# KiCad board radioboard_original.kicad_pcb
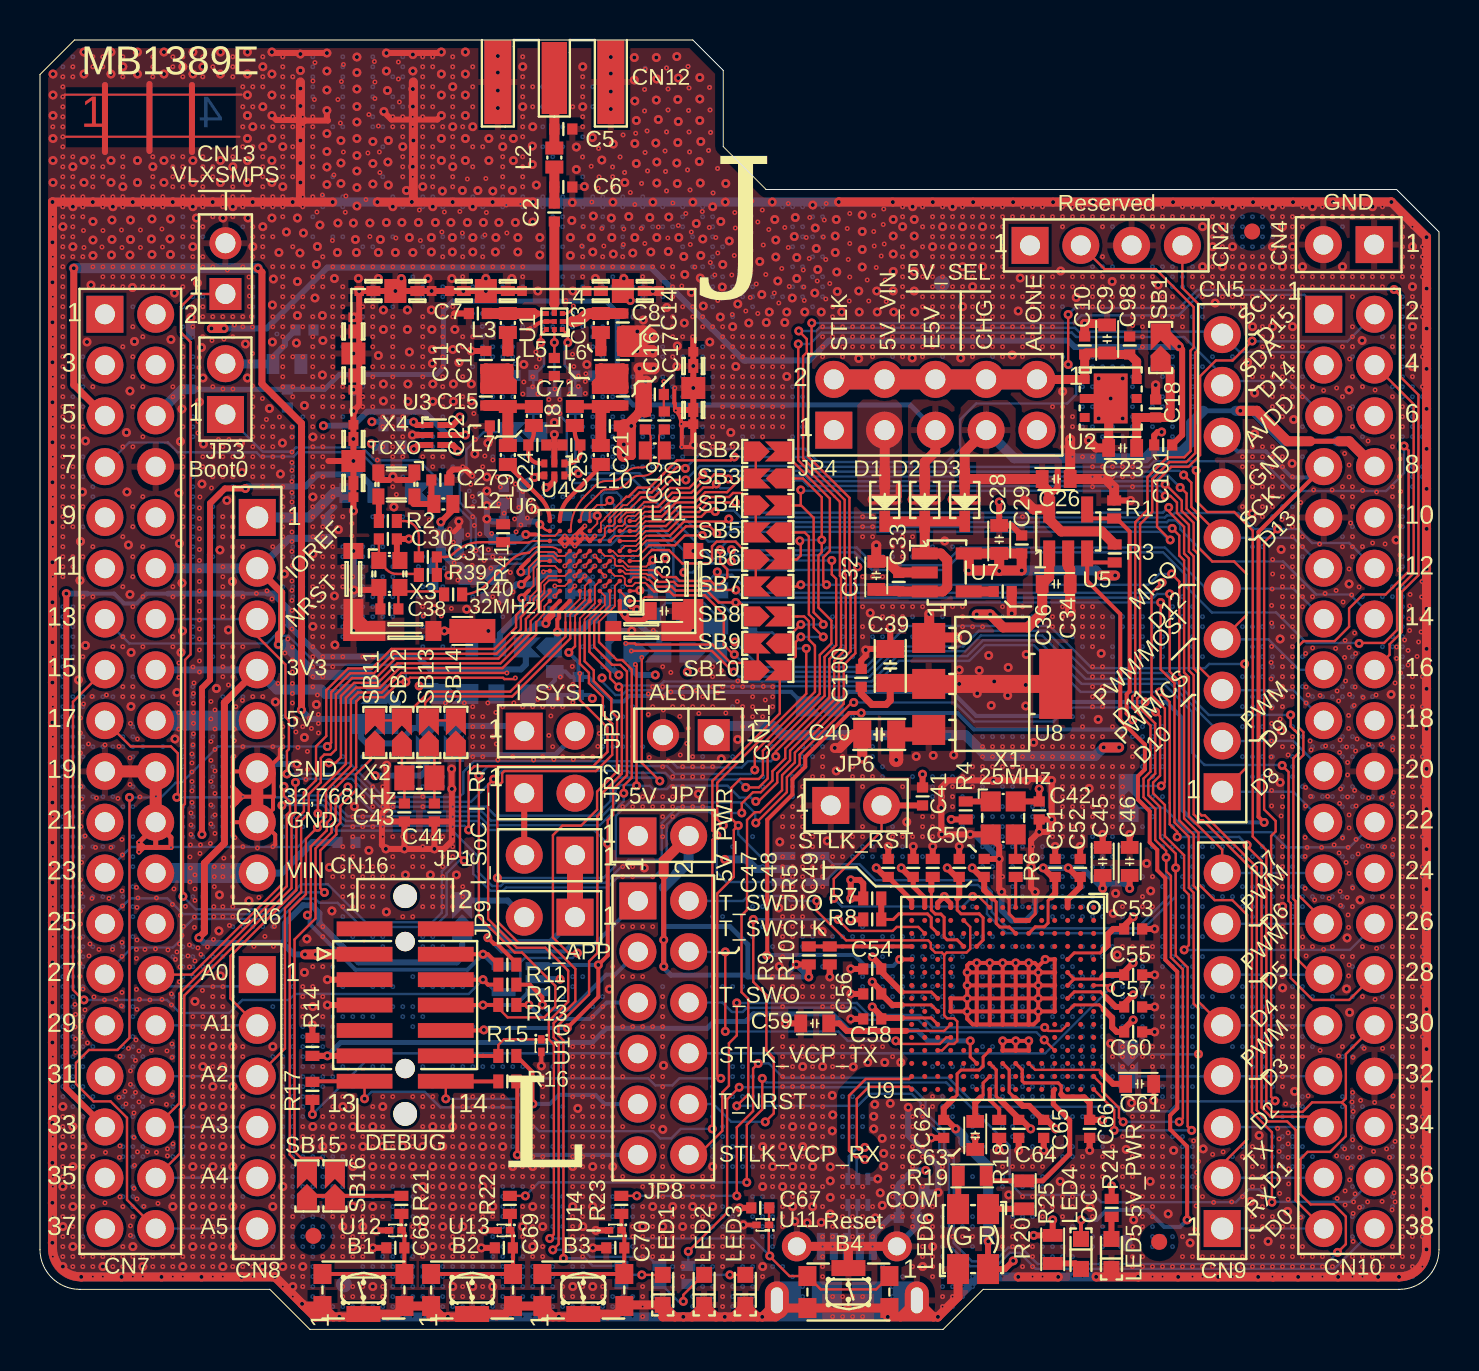
[diagram p0: board, top side]
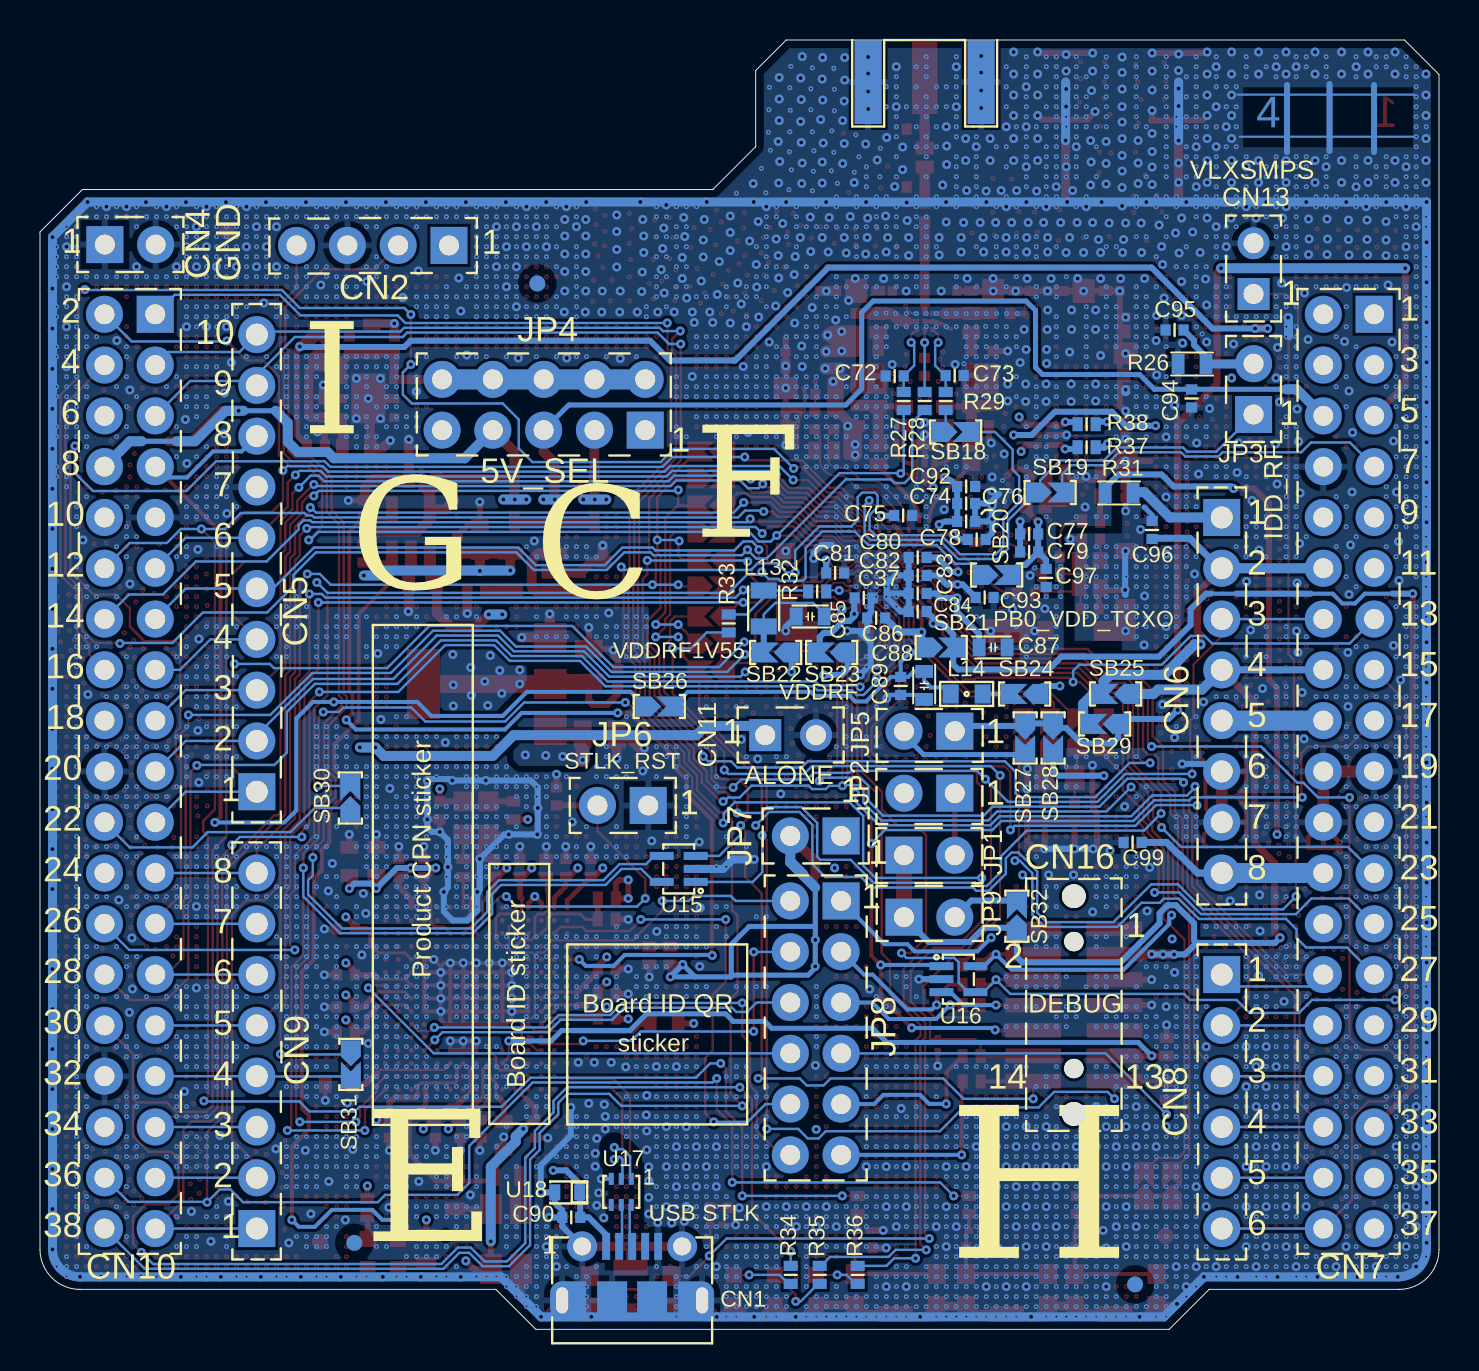
[diagram p1: board, bottom side, seen from below]

Outline 69.97 x 64.48 mm; copper layers: Top Layer, Signal Layer 1, Signal Layer 2, Bottom Layer. Coordinates in mm from the lower left corner of the outline.
Outline path: 0,62.75 0,4 arc(0.59,2.59) 2,2 11.5,2 13.5,0 45.17,0 47.17,2 67.97,2 arc(69.39,2.59) 69.97,4 69.97,54.88 67.85,57 36.32,57 34.17,59.14 34.17,62.95 32.65,64.48 1.72,64.48 0,62.75

## Placement (name value [footprint] x y rotation side)
B1  -  [SWI_C&K_Y78B23110FP__ITT_KMR231GLFS]  16.18 1.97 180 top
B2  -  [SWI_C&K_Y78B23110FP__ITT_KMR231GLFS]  21.61 1.97 180 top
B3  -  [SWI_C&K_Y78B23110FP__ITT_KMR231GLFS]  27.17 1.97 180 top
B4  -  [SWI_C&K_Y78B23110FP__ITT_KMR231GLFS]  40.43 1.87 0 top
C2  -  [C0402]  25.73 55.85 270 top
C5  -  [C0402]  26.17 60.02 180 top
C6  -  [C0402]  26.17 57.12 180 top
C7  Capacitor  [C0402]  21.9 50.8 0 top
C8  -  [C0402]  29.15 50.35 90 top
C9  -  [C0603]  53.37 49.52 270 top
C10  -  [C0402]  52.25 49.2 270 top
C11  Capacitor  [C0402]  22.3 48.47 270 top
C12  Capacitor  [C0402]  23.4 48.47 90 top
C13  -  [C0402]  28.05 48.47 270 top
C14  -  [C0402]  29.15 48.47 270 top
C15  Capacitor  [C0402]  22.3 46.65 90 top
C16  -  [C0402]  29.15 46.65 270 top
C17  Capacitor  [C0402]  30.75 46.75 0 top
C18  -  [C0402]  55.8 46.05 270 top
C19  -  [C0402#3]  30.27 45.45 270 top
C20  -  [C0402#2]  31.23 45.45 90 top
C21  -  [C0402]  28.5 45.17 180 top
C22  Capacitor  [C0402]  22.95 45.17 0 top
C23  -  [C0603]  54.15 44.07 0 top
C24  -  [C0402]  24.87 44.22 0 top
C25  -  [C0402]  26.58 44.22 0 top
C26  -  [C0603]  50.82 42.52 180 top
C27  -  [C0402]  20.02 42.47 180 top
C28  -  [C0603]  47.98 39.5 270 top
C29  -  [C0402]  49.1 39.25 270 top
C30  -  [C0402]  17.4 39.52 180 top
C31  Capacitor  [C0402]  19.4 38.62 0 top
C32  -  [C0603]  41.83 37.7 270 top
C33  -  [C0402]  42.95 37.38 270 top
C34  -  [C0603]  50.83 37.27 180 top
C35  -  [C0603]  31.23 35.92 180 top
C36  -  [C0402]  48.15 36.9 180 top
C37  -  [C0402]  28.77 36.57 180 bottom
C38  -  [C0402]  17.48 36.02 0 top
C39  -  [C0805]  42.52 33.17 270 top
C40  -  [C0805]  41.98 29.75 0 top
C41  -  [C0402]  44.14 26.65 270 top
C42  -  [C0402]  49.98 25.95 90 top
C43  -  [C0402]  18.23 25.85 270 top
C44  -  [C0402]  19.73 25.85 270 top
C45  -  [C0603]  53.15 23.4 270 top
C46  -  [C0603]  54.5 23.4 270 top
C47  -  [C0402]  42.42 23.07 270 top
C48  -  [C0402]  43.67 23.07 270 top
C49  -  [C0402]  45.98 23.07 270 top
C50  -  [C0402]  47.23 23.07 270 top
C51  -  [C0402]  50.77 23.07 270 top
C52  -  [C0402]  52.02 23.07 270 top
C53  -  [C0402]  54.67 20.02 180 top
C54  -  [C0402]  41.62 18.02 0 top
C55  -  [C0402]  54.67 17.72 180 top
C56  -  [C0402]  41.62 16.77 0 top
C57  -  [C0402]  54.67 16.12 180 top
C58  -  [C0402]  41.62 15.52 0 top
C59  -  [C0603]  38.75 15.3 0 top
C60  -  [C0402]  54.67 14.88 180 top
C61  -  [C0603]  55 12.27 180 top
C62  -  [C0402]  45.2 10.02 90 top
C63  -  [C0603]  46.77 9.7 90 top
C64  -  [C0402]  48.95 10.02 90 top
C65  -  [C0402]  50.2 10.02 90 top
C66  -  [C0402]  52.5 10.02 90 top
C67  -  [C0402]  36.02 6.07 0 top
C68  -  [C0402]  17.77 4.07 0 top
C69  -  [C0402]  23.2 4.07 0 top
C70  -  [C0402]  28.77 4.07 0 top
C71  -  [C0402]  25.72 48.12 90 top
C72  -  [C0402]  27.23 47.67 180 bottom
C73  -  [C0402]  24.23 47.7 0 bottom
C74  -  [C0402]  23.65 41.3 0 bottom
C75  -  [C0402]  26.8 40.7 0 bottom
C76  -  [C0402]  23.65 40.4 0 bottom
C77  -  [C0402]  20.5 39.77 0 bottom
C78  -  [C0402]  23.12 39.5 0 bottom
C79  -  [C0402]  20.5 38.88 180 bottom
C80  -  [C0402]  26.08 38.6 180 bottom
C81  -  [C0402]  30.2 37.82 0 bottom
C82  -  [C0402]  26.08 37.7 180 bottom
C83  -  [C0402]  26.08 36.8 180 bottom
C84  -  [C0402]  26.08 35.9 180 bottom
C85  -  [C0603]  31.45 35.65 180 bottom
C86  -  [C0402]  28.15 35.57 180 bottom
C87  -  [C0603]  22.3 34.1 0 bottom
C88  -  [C0603]  25.75 32.2 90 bottom
C89  -  [C0402]  26.92 32.17 90 bottom
C90  -  [C0402]  43.4 5.6 180 bottom
C92  Capacitor  [C0402]  23.65 42.15 0 bottom
C93  Capacitor  [C0402]  22.73 36.6 0 bottom
C94  Capacitor  [C0402]  12.38 46.55 90 bottom
C95  Capacitor  [C0402]  13.22 49.97 180 bottom
C96  Capacitor  [C0402]  14.35 39.97 270 bottom
C97  Capacitor  [C0402]  19.65 37.57 90 bottom
C98  Capacitor  [C0402]  54.5 49.2 270 top
C99  Capacitor  [C0402]  15.33 24.35 180 bottom
C100  Capacitor  [C0402]  41.08 32.57 270 top
C101  Capacitor  [C0402]  56.17 44.22 0 top
CN1  -  [CON_USBMICROB_MOLEX_105017-0001_H2P90]  40.36 0 180 bottom
CN2  -  [CON_SAMTEC_TSW-104-07-G-S]  53.33 54.2 0 top
CN4  -  [CON_SAMTEC_TSW-102-09-X-S]  65.46 54.24 180 top
CN5  -  [CON_SAMTEC_SSW-110-03-X-S]  59.13 38.31 90 top
CN6  -  [CON_SAMTEC_SSW-108-03-X-S]  10.87 31.71 270 top
CN7  -  [CON_SAMTEC_TSW-119-09-X-D]  4.52 27.9 270 top
CN8  -  [CON_SAMTEC_SSW-106-03-X-S]  10.87 11.39 270 top
CN9  -  [CON_SAMTEC_SSW-108-03-X-S]  59.13 13.93 90 top
CN10  -  [CON_SAMTEC_TSW-119-09-X-D]  65.48 27.9 270 top
CN11  -  [CON_988-JIUBABA_PHFS25-11-02-G0B115-T-1]  32.43 29.71 0 top
CN12  -  [CON_SAMTEC_SMA-J-P-X-ST-EM1]  25.73 64.47 180 top
CN13  -  [CON_988-JIUBABA_PHFS25-11-02-G0B115-T-1]  9.27 53.04 270 top
CN16  -  [CON_STDC14_Receiver_MEDIUM_WITH_MIPI10_3D]  18.26 16.22 270 top
D1  -  [DIO_SOD323]  42.25 41.47 270 top
D2  -  [DIO_SOD323]  44.25 41.47 270 top
D3  -  [DIO_SOD323]  46.25 41.47 270 top
JP1  -  [CON_SAMTEC_TSW-102-07-G-S]  25.49 23.71 180 top
JP2  -  [CON_SAMTEC_TSW-102-07-G-S]  25.49 26.81 0 top
JP3  -  [CON_SAMTEC_TSW-102-07-G-S]  9.27 47.02 90 top
JP4  -  [CON_SAMTEC_TSW-105-07-X-D]  44.78 46.24 0 top
JP5  -  [CON_SAMTEC_TSW-102-07-G-S]  25.49 29.91 0 top
JP6  -  [CON_SAMTEC_TSW-102-07-G-S]  40.82 26.2 0 top
JP7  -  [CON_SAMTEC_TSW-102-07-G-S]  31.17 24.67 0 top
JP8  -  [CON_SAMTEC_TSW-106-07-X-D]  31.17 15.07 270 top
JP9  -  [CON_SAMTEC_TSW-102-07-G-S]  25.49 20.61 180 top
L2  -  [IND_0402_MURATA_LQW15AN_H0P5]  25.73 58.6 270 top
L3  Inductor  [IND_0402_MURATA_LQW15AN_H0P5]  23.4 50.32 90 top
L4  -  [IND_0402_MURATA_LQW15AN_H0P5]  28.05 50.32 90 top
L5  Inductor  [IND_0402_MURATA_LQW15AN_H0P5]  23.4 46.62 90 top
L6  Inductor  [IND_0402_MURATA_LQW15AN_H0P5]  28.05 46.62 90 top
L7  Inductor  [IND_0402_MURATA_LQW15AN_H0P5]  24.7 45.67 90 top
L8  -  [IND_0402_MURATA_LQW15AN2N4C00X]  26.75 45.67 90 top
L9  -  [IND_0402_MURATA_LQW15AN_H0P5]  23.4 43.72 90 top
L10  -  [IND_0402_MURATA_LQW15AN_H0P5]  28.05 43.72 90 top
L11  Inductor  [IND_0402_MURATA_LQW15AN_H0P5]  30.75 43.95 0 top
L12  -  [IND_0402_MURATA_BLM15H_H0P5]  20.17 41.27 0 top
L13  -  [IND_TDK_MLZ2012M150W]  33.77 36.05 90 bottom
L14  -  [L0603]  23.62 31.77 0 bottom
LED1  -  [LED_0603_OSRAM_LB-Q39G-L2OO-35-1_BLUE_1A2K_H0P4]  31.15 1.97 270 top
LED2  -  [LED_0603_OSRAM_LG-Q396-PS-35_GREEN_1A2K_H0P4]  33.22 1.97 270 top
LED3  -  [LED_0603_VISHAY_VLMS1300-GS08_RED_1A2K_H0P8]  35.28 1.97 270 top
LED4  -  [LED_0603_VISHAY_VLMS1300-GS08_RED_1A2K_H0P8]  52.07 3.77 90 top
LED5  -  [LED_0603_OSRAM_LG-Q396-PS-35_GREEN_1A2K_H0P4]  53.59 3.77 270 top
LED6  -  [LED_BI-GR_HSMF-A201-A00J1]  46.67 4.51 0 top
MIRE-PL-1  Comment  [MIRE_PLACE_SMD_0P8MM]  60.62 54.9 0 top
MIRE-PL-2  Comment  [MIRE_PLACE_SMD_0P8MM]  13.67 4.67 0 top
MIRE-PL-3  Comment  [MIRE_PLACE_SMD_0P8MM]  55.98 4.38 0 top
MIRE-PL-4  Comment  [MIRE_PLACE_SMD_0P8MM]  45.1 52.3 180 bottom
MIRE-PL-5  Comment  [MIRE_PLACE_SMD_0P8MM]  54.25 4.32 180 bottom
MIRE-PL-6  Comment  [MIRE_PLACE_SMD_0P8MM]  15.2 2.25 180 bottom
R1  -  [R0402]  53.72 41 270 top
R2  Resistor  [R0402]  17.4 40.42 0 top
R3  -  [R0402]  53.75 38.8 90 top
R4  -  [R0402]  46.3 25.95 90 top
R5  -  [R0402]  44.65 23.07 270 top
R6  -  [R0402]  48.8 23.07 270 top
R7  -  [R0402]  41.62 21.55 0 top
R8  -  [R0402]  41.62 20.5 0 top
R9  -  [R0402]  38.45 18.7 90 top
R10  -  [R0402]  39.5 18.7 90 top
R11  -  [R0402]  23.37 18.24 0 top
R12  -  [R0402]  23.37 17.24 0 top
R13  -  [R0402]  23.37 16.22 0 top
R14  -  [R0402]  13.62 14.12 270 top
R15  -  [R0402]  23.37 13.67 0 top
R16  -  [R0402]  23.37 12.4 0 top
R17  -  [R0402]  13.62 11.92 90 top
R18  -  [R0402]  47.98 10.02 90 top
R19  -  [R0603]  46.62 7.67 0 top
R20  -  [R0603]  49.23 6.72 90 top
R21  -  [R0402]  18.08 6.22 90 top
R22  -  [R0402]  23.5 6.22 90 top
R23  -  [R0402]  29.08 6.22 90 top
R24  -  [R0402]  53.6 6.07 270 top
R25  -  [R0603]  50.65 4 90 top
R26  -  [R0603]  12.35 48.27 180 bottom
R27  -  [R0402]  26.77 46.42 90 bottom
R28  -  [R0402]  25.72 46.42 90 bottom
R29  -  [R0402]  24.67 46.42 270 bottom
R31  -  [R0603]  16 41.82 0 bottom
R32  -  [R0402]  31.1 36.9 0 bottom
R33  -  [R0402]  35.52 35.3 90 bottom
R34  -  [R0402]  32.42 2.72 270 bottom
R35  -  [R0402]  30.98 2.72 270 bottom
R36  -  [R0402]  29.08 2.72 270 bottom
R37  -  [R0402]  17.62 44.11 180 bottom
R38  -  [R0402]  17.62 45.26 180 bottom
R39  -  [R0402]  19.4 37.72 180 top
R40  -  [R0402]  20.66 36.75 180 top
R41  -  [R0402]  23.16 39.81 270 top
SB1  -  [SOLDER-BRIDGE_R0603-0R]  56.05 49.1 90 top
SB2  -  [SOLDER-BRIDGE_R0603-0R]  36.4 43.9 0 top
SB3  -  [SOLDER-BRIDGE_R0603-0R]  36.4 42.55 180 top
SB4  -  [SOLDER-BRIDGE_R0603-0R]  36.4 41.2 0 top
SB5  -  [SOLDER-BRIDGE_R0603-0R]  36.4 39.85 180 top
SB6  -  [SOLDER-BRIDGE_R0603-0R]  36.4 38.5 0 top
SB7  -  [SOLDER-BRIDGE_R0603-0R]  36.4 37.15 180 top
SB8  -  [SOLDER-BRIDGE_R0603-0R]  36.4 35.65 0 top
SB9  -  [SOLDER-BRIDGE_R0603-0R]  36.4 34.3 180 top
SB10  -  [SOLDER-BRIDGE_R0603-0R]  36.4 32.95 0 top
SB11  -  [SOLDER-BRIDGE_R0603-0R]  16.75 29.85 90 top
SB12  -  [SOLDER-BRIDGE_R0603-0R]  18.1 29.85 90 top
SB13  -  [SOLDER-BRIDGE_R0603-0R]  19.45 29.85 90 top
SB14  -  [SOLDER-BRIDGE_R0603-0R]  20.8 29.85 90 top
SB15  -  [SOLDER-BRIDGE_R0603-0R]  13.35 7.17 90 top
SB16  -  [SOLDER-BRIDGE_R0603-0R]  14.75 7.17 90 top
SB18  -  [SOLDER-BRIDGE_R0603-0R]  24.17 44.88 180 bottom
SB19  -  [SOLDER-BRIDGE_R0603-0R]  19.45 41.85 180 bottom
SB20  -  [SOLDER-BRIDGE_R0603-0R]  22.12 37.72 180 bottom
SB21  -  [SOLDER-BRIDGE_R0603-0R]  24.9 34.1 180 bottom
SB22  -  [SOLDER-BRIDGE_R0603-0R]  33.17 33.85 0 bottom
SB23  -  [SOLDER-BRIDGE_R0603-0R]  30.37 33.85 0 bottom
SB24  -  [SOLDER-BRIDGE_R0603-0R]  20.73 31.77 0 bottom
SB25  -  [SOLDER-BRIDGE_R0603-0R]  16.17 31.77 0 bottom
SB26  -  [SOLDER-BRIDGE_R0603-0R]  39 31.15 180 bottom
SB27  -  [SOLDER-BRIDGE_R0603-0R]  20.7 29.57 270 bottom
SB28  -  [SOLDER-BRIDGE_R0603-0R]  19.3 29.57 270 bottom
SB29  -  [SOLDER-BRIDGE_R0603-0R]  16.73 30.27 0 bottom
SB30  -  [SOLDER-BRIDGE_R0603-0R]  54.45 26.57 90 bottom
SB31  -  [SOLDER-BRIDGE_R0603-0R]  54.42 13.25 270 bottom
SB32  -  [SOLDER-BRIDGE_R0603-0R]  21.11 20.66 90 bottom
SC1  -  [CLIP_HARWIN_S0951-46R]  32.67 47.07 90 top
SC2  Shield-clip_S0951-46R  [CLIP_HARWIN_S0911-46R]  21.62 34.92 0 top
SC3  -  [CLIP_HARWIN_S0951-46R]  15.67 43.42 90 top
SC4  -  [CLIP_HARWIN_S0951-46R]  17.77 51.92 0 top
SC5  -  [CLIP_HARWIN_S0951-46R]  15.67 48.8 90 top
SC6  -  [CLIP_HARWIN_S0951-46R]  22.3 51.92 180 top
SC7  -  [CLIP_HARWIN_S0951-46R]  29.15 51.93 180 top
SC8  Shield-clip_S0981-46R  [CLIP_HARWIN_S0981-46R]  15.67 34.92 270 top
SC9  Shield-clip_S0981-46R  [CLIP_HARWIN_S0981-46R]  32.67 34.92 0 top
SHEETBOX1  Comment  [Sheetbox_4L2S]  -9.45 -26.43 0 top
SHIELD-RF_1  Comment  [SHIELD_17P2x17P2X3__3D-ONLY]  24.17 43.42 0 top
STICKER-1  Comment  [STICKER_BOARD-CPN_13X3]  46 16.77 90 bottom
STICKER-2  Comment  [STICKER_BOARD-CPN_25X5]  50.83 22.72 90 bottom
STICKER-3  Comment  [STICKER_BOARD-QR-CODE_9X9]  39.1 14.75 180 bottom
U1  -  [ICC_TSNP-9-3_1P1X1P1_P040]  25.73 50.4 180 top
U2  -  [ICC_DFN6-EPAD_3X3_P095]  53.55 46.55 270 top
U3  -  [ICC_SOT886_XSON6]  19.77 44.72 270 top
U4  -  [ICC_SOT886_XSON6]  25.73 43 180 top
U5  -  [MOS_SOT23-5L]  51.42 39.9 0 top
U6  -  [ICC_UFBGA73_5X5_P050]  27.5 38.42 180 top
U7  -  [REG_SOT23-5L]  45.35 37.85 270 top
U8  -  [REG_SOT223-TAB]  47.62 32.27 270 top
U9  -  [ICC_UFBGA201_176+25_10X10_P065]  48.15 16.55 270 top
U10  -  [ESD_ST0201]  25.08 14.19 270 top
U11  -  [ESD_ST0201]  36.15 5.22 180 top
U12  -  [ESD_ST0201]  17.77 4.95 180 top
U13  -  [ESD_ST0201]  23.2 4.95 180 top
U14  -  [ESD_ST0201]  28.77 4.95 180 top
U15  -  [ESD_SOT323-5L]  38.02 23.02 90 bottom
U16  -  [ESD_SOT323-5L]  24.04 17.51 270 bottom
U17  -  [ESD_QFN-6L_1P7X1P5_P050]  40.9 6.88 0 bottom
U18  -  [ESD_QFN2_1P6X1_P125]  43.6 6.85 0 bottom
X1  -  [OSC_NDK_NZ2520SB_4P]  48.17 25.57 270 top
X2  -  [CRY_NX2012SA_2P]  18.98 27.57 180 top
X3  -  [CRY_NX2016SA_4P]  17.48 37.77 270 top
X4  NT2016SF  [CRY_NDK_NT2016SB_4P]  17.83 42.25 180 top

## Footprints (pads in the part's own frame, mm; a bottom-side part is the same pattern mirrored in y, then rotated)
C0402
  rect 0.51x0.56 smd: 1(-0.45,0) 2(0.45,0)
C0402#2
  rect 0.51x0.56 smd: 1(-0.45,0) 2(0.45,0)
C0402#3
  rect 0.51x0.56 smd: 1(-0.45,0) 2(0.45,0)
C0603
  rect 0.64x0.89 smd: 1(-0.7,0) 2(0.7,0)
C0805
  rect 0.9x1.4 smd: 1(-0.85,0) 2(0.85,0)
CLIP_HARWIN_S0911-46R
  rect 2.3x1.2 smd: 1(0,0)
CLIP_HARWIN_S0951-46R
  rect 0.48x0.5 smd: 1(-1.81,0) 1(1.81,0)
  rect 0.7x0.5 smd: 1(-1.1,0) 1(1.1,0)
  rect 1.1x1.2 smd: 1(0,0)
CLIP_HARWIN_S0981-46R
  custom 2.1x2.1 smd: (-1.6,-0.5)
  rect 0.8x1 smd: 1(-4,0)
  rect 1x0.8 smd: 1(0,4)
  rect 1x1 smd: 1(0,0)
CON_988-JIUBABA_PHFS25-11-02-G0B115-T-1
  rect 1.6x1.6 hole 1: 1(1.27,0)
  round 1.6 hole 1: 2(-1.27,0)
CON_SAMTEC_SMA-J-P-X-ST-EM1
  rect 1.27x3.6 smd: 1(0,1.9)
  rect 1.35x4.2 smd: 2(-2.825,2.1) 3(2.825,2.1)
  rect 1.35x4.2 smd far side: 4(2.825,2.1) 5(-2.825,2.1)
CON_SAMTEC_SSW-106-03-X-S
  rect 1.85x1.85 hole 1.1: 1(-6.35,0)
  round 1.85 hole 1.1: 2(-3.81,0) 3(-1.27,0) 4(1.27,0) 5(3.81,0) 6(6.35,0)
CON_SAMTEC_SSW-108-03-X-S
  rect 1.85x1.85 hole 1.1: 1(-8.89,0)
  round 1.85 hole 1.1: 2(-6.35,0) 3(-3.81,0) 4(-1.27,0) 5(1.27,0) 6(3.81,0) 7(6.35,0) 8(8.89,0)
CON_SAMTEC_SSW-110-03-X-S
  rect 1.85x1.85 hole 1.1: 1(-11.43,0)
  round 1.85 hole 1.1: 2(-8.89,0) 3(-6.35,0) 4(-3.81,0) 5(-1.27,0) 6(1.27,0) 7(3.81,0) 8(6.35,0) 9(8.89,0) 10(11.43,0)
CON_SAMTEC_TSW-102-07-G-S
  rect 1.85x1.85 hole 1: 1(-1.27,0)
  round 1.85 hole 1: 2(1.27,0)
CON_SAMTEC_TSW-102-09-X-S
  rect 1.85x1.85 hole 1: 1(-1.27,0)
  round 1.85 hole 1: 2(1.27,0)
CON_SAMTEC_TSW-104-07-G-S
  rect 1.85x1.85 hole 1: 1(-3.81,0)
  round 1.85 hole 1: 2(-1.27,0) 3(1.27,0) 4(3.81,0)
CON_SAMTEC_TSW-105-07-X-D
  rect 1.85x1.85 hole 1: 1(-5.08,-1.27)
  round 1.85 hole 1: 2(-5.08,1.27) 3(-2.54,-1.27) 4(-2.54,1.27) 5(0,-1.27) 6(0,1.27) 7(2.54,-1.27) 8(2.54,1.27) 9(5.08,-1.27) 10(5.08,1.27)
CON_SAMTEC_TSW-106-07-X-D
  rect 1.85x1.85 hole 1: 1(-6.35,-1.27)
  round 1.85 hole 1: 2(-6.35,1.27) 3(-3.81,-1.27) 4(-3.81,1.27) 5(-1.27,-1.27) 6(-1.27,1.27) 7(1.27,-1.27) 8(1.27,1.27) 9(3.81,-1.27) 10(3.81,1.27) 11(6.35,-1.27) 12(6.35,1.27)
CON_SAMTEC_TSW-119-09-X-D
  rect 1.85x1.85 hole 1: 1(-22.86,-1.27)
  round 1.85 hole 1: 2(-22.86,1.27) 3(-20.32,-1.27) 4(-20.32,1.27) 5(-17.78,-1.27) 6(-17.78,1.27) 7(-15.24,-1.27) 8(-15.24,1.27) 9(-12.7,-1.27) 10(-12.7,1.27) 11(-10.16,-1.27) 12(-10.16,1.27) 13(-7.62,-1.27) 14(-7.62,1.27) 15(-5.08,-1.27) 16(-5.08,1.27) 17(-2.54,-1.27) 18(-2.54,1.27) 19(0,-1.27) 20(0,1.27) 21(2.54,-1.27) 22(2.54,1.27) 23(5.08,-1.27) 24(5.08,1.27) 25(7.62,-1.27) 26(7.62,1.27) 27(10.16,-1.27) 28(10.16,1.27) 29(12.7,-1.27) 30(12.7,1.27) 31(15.24,-1.27) 32(15.24,1.27) 33(17.78,-1.27) 34(17.78,1.27) 35(20.32,-1.27) 36(20.32,1.27) 37(22.86,-1.27) 38(22.86,1.27)
CON_STDC14_Receiver_MEDIUM_WITH_MIPI10_3D
  round 1.19 hole 1.19 unplated: (-5.445,0) (5.445,0)
  round 0.97 hole 0.97 unplated: (-3.175,0) (3.175,0)
  rect 0.74x2.79 smd: 1(-3.81,-2.032) 2(-3.81,2.032) 3(-2.54,-2.032) 4(-2.54,2.032) 5(-1.27,-2.032) 6(-1.27,2.032) 7(0,-2.032) 8(0,2.032) 9(1.27,-2.032) 10(1.27,2.032) 11(2.54,-2.032) 12(2.54,2.032) 13(3.81,-2.032) 14(3.81,2.032)
CON_USBMICROB_MOLEX_105017-0001_H2P90
  custom 1.2x1.9 smd: (-3.5,2.4) (2.3,2.4)
  rect 0.4x1.35 smd: 1(-1.3,4.15) 2(-0.65,4.15) 3(0,4.15) 4(0.65,4.15) 5(1.3,4.15)
  round 1.5 hole 0.9: 6(-2.5,4.15) 7(2.5,4.15)
  oval 1.2x1.9 hole 0.6x1.3: 8(3.5,1.45) 9(-3.5,1.45)
  rect 1.5x1.9 smd: 10(-1,1.45) 11(1,1.45)
CRY_NDK_NT2016SB_4P
  rect 0.6x0.8 smd: 1(-0.9,-0.6) 2(0.9,-0.6) 3(0.9,0.6) 4(-0.9,0.6)
CRY_NX2012SA_2P
  rect 1x1.25 smd: 1(-0.75,0) 2(0.75,0)
CRY_NX2016SA_4P
  rect 0.85x0.75 smd: 1(-0.675,-0.525) 2(0.675,-0.525) 3(0.675,0.525) 4(-0.675,0.525)
DIO_SOD323
  rect 1.06x0.54 smd: 1(-1.07,0) 2(1.07,0)
ESD_QFN2_1P6X1_P125
  rect 0.55x0.8 smd: 1(-0.625,0) 2(0.625,0)
ESD_QFN-6L_1P7X1P5_P050
  rect 0.25x0.6 smd: 1(-0.5,-0.65) 2(0,-0.65) 3(0.5,-0.65) 4(0.5,0.65) 5(0,0.65) 6(-0.5,0.65)
ESD_SOT323-5L
  rect 0.4x1.2 smd: 1(-0.65,-0.85) 2(0,-0.85) 3(0.65,-0.85) 4(0.65,0.85) 5(-0.65,0.85)
ESD_ST0201
  rect 0.425x0.33 smd: 1(-0.312,0) 2(0.312,0)
ICC_DFN6-EPAD_3X3_P095
  rect 0.45x0.5 smd: 1(-0.95,-1.3) 2(0,-1.3) 3(0.95,-1.3) 4(0.95,1.3) 5(0,1.3) 6(-0.95,1.3)
  rect 2.5x1.7 smd: EP(0,0)
ICC_SOT886_XSON6
  rect 0.3x0.4 smd: 1(-0.5,-0.3) 2(0,-0.3) 3(0.5,-0.3) 4(0.5,0.3) 5(0,0.3) 6(-0.5,0.3)
ICC_TSNP-9-3_1P1X1P1_P040
  rect 0.25x0.25 smd: 1(-0.4,0.4) 2(-0.4,0) 3(-0.4,-0.4) 4(0,-0.4) 5(0.4,-0.4) 6(0.4,0) 7(0.4,0.4) 8(0,0.4) 9(0,0)
ICC_UFBGA73_5X5_P050
  round 0.23 smd: A1(-2,2) A2(-1.5,2) A4(-0.5,2) A5(0,2) A7(1,2) A8(1.5,2) A9(2,2) B1(-2,1.5) B2(-1.5,1.5) B3(-1,1.5) B4(-0.5,1.5) B5(0,1.5) B6(0.5,1.5) B7(1,1.5) B8(1.5,1.5) B9(2,1.5) C1(-2,1) C2(-1.5,1) C3(-1,1) C4(-0.5,1) C5(0,1) C6(0.5,1) C7(1,1) C8(1.5,1) D2(-1.5,0.5) D3(-1,0.5) D4(-0.5,0.5) D5(0,0.5) D6(0.5,0.5) D7(1,0.5) D8(1.5,0.5) D9(2,0.5) E1(-2,0) E2(-1.5,0) E3(-1,0) E4(-0.5,0) E5(0,0) E6(0.5,0) E7(1,0) E8(1.5,0) E9(2,0) F1(-2,-0.5) F2(-1.5,-0.5) F3(-1,-0.5) F4(-0.5,-0.5) F5(0,-0.5) F6(0.5,-0.5) F7(1,-0.5) F8(1.5,-0.5) G2(-1.5,-1) G3(-1,-1) G4(-0.5,-1) G5(0,-1) G6(0.5,-1) G7(1,-1) G8(1.5,-1) G9(2,-1) H1(-2,-1.5) H2(-1.5,-1.5) H3(-1,-1.5) H4(-0.5,-1.5) H5(0,-1.5) H6(0.5,-1.5) H7(1,-1.5) H8(1.5,-1.5) H9(2,-1.5) J1(-2,-2) J2(-1.5,-2) J3(-1,-2) J5(0,-2) J6(0.5,-2) J8(1.5,-2) J9(2,-2)
ICC_UFBGA201_176+25_10X10_P065
  round 0.25 smd: A1(-4.55,4.55) A2(-3.9,4.55) A3(-3.25,4.55) A4(-2.6,4.55) A5(-1.95,4.55) A6(-1.3,4.55) A7(-0.65,4.55) A8(0,4.55) A9(0.65,4.55) A10(1.3,4.55) A11(1.95,4.55) A12(2.6,4.55) A13(3.25,4.55) A14(3.9,4.55) A15(4.55,4.55) B1(-4.55,3.9) B2(-3.9,3.9) B3(-3.25,3.9) B4(-2.6,3.9) B5(-1.95,3.9) B6(-1.3,3.9) B7(-0.65,3.9) B8(0,3.9) B9(0.65,3.9) B10(1.3,3.9) B11(1.95,3.9) B12(2.6,3.9) B13(3.25,3.9) B14(3.9,3.9) B15(4.55,3.9) C1(-4.55,3.25) C2(-3.9,3.25) C3(-3.25,3.25) C4(-2.6,3.25) C5(-1.95,3.25) C6(-1.3,3.25) C7(-0.65,3.25) C8(0,3.25) C9(0.65,3.25) C10(1.3,3.25) C11(1.95,3.25) C12(2.6,3.25) C13(3.25,3.25) C14(3.9,3.25) C15(4.55,3.25) D1(-4.55,2.6) D2(-3.9,2.6) D3(-3.25,2.6) D4(-2.6,2.6) D5(-1.95,2.6) D6(-1.3,2.6) D7(-0.65,2.6) D8(0,2.6) D9(0.65,2.6) D10(1.3,2.6) D11(1.95,2.6) D12(2.6,2.6) D13(3.25,2.6) D14(3.9,2.6) D15(4.55,2.6) E1(-4.55,1.95) E2(-3.9,1.95) E3(-3.25,1.95) E4(-2.6,1.95) E12(2.6,1.95) E13(3.25,1.95) E14(3.9,1.95) E15(4.55,1.95) F1(-4.55,1.3) F2(-3.9,1.3) F3(-3.25,1.3) F4(-2.6,1.3) F6(-1.3,1.3) F7(-0.65,1.3) F8(0,1.3) F9(0.65,1.3) F10(1.3,1.3) F12(2.6,1.3) F13(3.25,1.3) F14(3.9,1.3) F15(4.55,1.3) G1(-4.55,0.65) G2(-3.9,0.65) G3(-3.25,0.65) G4(-2.6,0.65) G6(-1.3,0.65) G7(-0.65,0.65) G8(0,0.65) G9(0.65,0.65) G10(1.3,0.65) G12(2.6,0.65) G13(3.25,0.65) G14(3.9,0.65) G15(4.55,0.65) H1(-4.55,0) H2(-3.9,0) H3(-3.25,0) H4(-2.6,0) H6(-1.3,0) H7(-0.65,0) H8(0,0) H9(0.65,0) H10(1.3,0) H12(2.6,0) H13(3.25,0) H14(3.9,0) H15(4.55,0) J1(-4.55,-0.65) J2(-3.9,-0.65) J3(-3.25,-0.65) J4(-2.6,-0.65) J6(-1.3,-0.65) J7(-0.65,-0.65) J8(0,-0.65) J9(0.65,-0.65) J10(1.3,-0.65) J12(2.6,-0.65) J13(3.25,-0.65) J14(3.9,-0.65) J15(4.55,-0.65) K1(-4.55,-1.3) K2(-3.9,-1.3) K3(-3.25,-1.3) K4(-2.6,-1.3) K6(-1.3,-1.3) K7(-0.65,-1.3) K8(0,-1.3) K9(0.65,-1.3) K10(1.3,-1.3) K12(2.6,-1.3) K13(3.25,-1.3) K14(3.9,-1.3) K15(4.55,-1.3) L1(-4.55,-1.95) L2(-3.9,-1.95) L3(-3.25,-1.95) L4(-2.6,-1.95) L12(2.6,-1.95) L13(3.25,-1.95) L14(3.9,-1.95) L15(4.55,-1.95) M1(-4.55,-2.6) M2(-3.9,-2.6) M3(-3.25,-2.6) M4(-2.6,-2.6) M5(-1.95,-2.6) M6(-1.3,-2.6) M7(-0.65,-2.6) M8(0,-2.6) M9(0.65,-2.6) M10(1.3,-2.6) M11(1.95,-2.6) M12(2.6,-2.6) M13(3.25,-2.6) M14(3.9,-2.6) M15(4.55,-2.6) N1(-4.55,-3.25) N2(-3.9,-3.25) N3(-3.25,-3.25) N4(-2.6,-3.25) N5(-1.95,-3.25) N6(-1.3,-3.25) N7(-0.65,-3.25) N8(0,-3.25) N9(0.65,-3.25) N10(1.3,-3.25) N11(1.95,-3.25) N12(2.6,-3.25) N13(3.25,-3.25) N14(3.9,-3.25) N15(4.55,-3.25) P1(-4.55,-3.9) P2(-3.9,-3.9) P3(-3.25,-3.9) P4(-2.6,-3.9) P5(-1.95,-3.9) P6(-1.3,-3.9) P7(-0.65,-3.9) P8(0,-3.9) P9(0.65,-3.9) P10(1.3,-3.9) P11(1.95,-3.9) P12(2.6,-3.9) P13(3.25,-3.9) P14(3.9,-3.9) P15(4.55,-3.9) R1(-4.55,-4.55) R2(-3.9,-4.55) R3(-3.25,-4.55) R4(-2.6,-4.55) R5(-1.95,-4.55) R6(-1.3,-4.55) R7(-0.65,-4.55) R8(0,-4.55) R9(0.65,-4.55) R10(1.3,-4.55) R11(1.95,-4.55) R12(2.6,-4.55) R13(3.25,-4.55) R14(3.9,-4.55) R15(4.55,-4.55)
IND_0402_MURATA_BLM15H_H0P5
  rect 0.65x0.9 smd: 1(-0.475,0) 2(0.475,0)
IND_0402_MURATA_LQW15AN2N4C00X
  rect 0.65x0.9 smd: 1(-0.475,0) 2(0.475,0)
IND_0402_MURATA_LQW15AN_H0P5
  rect 0.65x0.9 smd: 1(-0.475,0) 2(0.475,0)
IND_TDK_MLZ2012M150W
  rect 0.8x1.3 smd: 1(-0.9,0) 2(0.9,0)
L0603
  rect 0.8x0.95 smd: 1(-0.8,0) 2(0.8,0)
LED_0603_OSRAM_LB-Q39G-L2OO-35-1_BLUE_1A2K_H0P4
  rect 0.8x0.8 smd: 1(-0.75,0) 2(0.75,0)
LED_0603_OSRAM_LG-Q396-PS-35_GREEN_1A2K_H0P4
  rect 0.8x0.8 smd: 1(-0.75,0) 2(0.75,0)
LED_0603_VISHAY_VLMS1300-GS08_RED_1A2K_H0P8
  rect 0.8x0.8 smd: 1(-0.75,0) 2(0.75,0)
LED_BI-GR_HSMF-A201-A00J1
  rect 1.1x1.5 smd: 1(-0.75,-1.5) 2(-0.75,1.5) 3(0.75,1.5) 4(0.75,-1.5)
MIRE_PLACE_SMD_0P8MM
  round 0.8 smd: 1(0,0)
MOS_SOT23-5L
  rect 0.6x1.3 smd: 1(-0.95,-1.1) 2(0,-1.1) 3(0.95,-1.1) 4(0.95,1.1) 5(-0.95,1.1)
OSC_NDK_NZ2520SB_4P
  rect 1x1 smd: 1(-0.825,-0.625) 2(0.825,-0.625) 3(0.825,0.625) 4(-0.825,0.625)
R0402
  rect 0.51x0.7 smd: 1(-0.45,0) 2(0.45,0)
R0603
  rect 0.64x1 smd: 1(-0.7,0) 2(0.7,0)
REG_SOT23-5L
  rect 0.6x1.3 smd: 1(-0.95,-1.1) 2(0,-1.1) 3(0.95,-1.1) 4(0.95,1.1) 5(-0.95,1.1)
REG_SOT223-TAB
  rect 1.5x1.65 smd: 1(-2.3,-3.175) 2(0,-3.175) 3(2.3,-3.175)
  rect 3.5x1.65 smd: 4(0,3.175)
SOLDER-BRIDGE_R0603-0R
  custom 1.3x1 smd: (-1.2,-0.5)
  custom 1.35x1 smd: (-0.15,0.5)
  round 0.254 smd: 1(-0.5,0) 2(0.6,0)
SWI_C&K_Y78B23110FP__ITT_KMR231GLFS
  rect 0.9x1 smd: 1(2.05,0.8) 2(2.05,-0.8) 3(-2.05,0.8) 4(-2.05,-0.8)
  rect 1.7x0.8 smd: 5(0,1.2)

## Nets
3V3: C101.2 CN6.4 CN7.16 CN16.3 JP1.1 JP9.1 SB1.2 SB25.1 SB32.1
3V3_STLK: C28.2 C29.2 C42.2 C45.2 C46.2 C47.2 C48.2 C49.2 C50.2 C51.2 C52.2 C53.2 C54.2 C55.2 C56.2 C57.2 C58.2 C60.2 C62.2 C64.2 C65.2 C66.2 CN2.1 LED6.4 R4.1 R7.1 U7.5 U9.C1 U9.C5 U9.C6 U9.C7 U9.C8 U9.C9 U9.F3 U9.G3 U9.G13 U9.H13 U9.J12 U9.J13 U9.K4 U9.N8 U9.N9 U9.N10 U9.P1 U9.R1 X1.4
5V: C9.2 C10.2 C98.2 CN6.5 CN7.18 JP4.2 JP4.4 JP4.6 JP4.8 JP4.10 JP7.1 U2.1 U2.6
5V_PWR: JP7.2 R9.1 R24.1
5V_USB_CHGR: C26.2 C90.2 CN1.1 CN10.8 D3.1 JP4.7 R3.2 R25.2 U5.5 U18.1
5V_USB_STLK: C34.2 JP4.1 U5.1
5V_VIN: C39.2 C100.2 D1.1 JP4.3 R31.2 U8.2 U8.4
AVDD: CN5.8 CN10.7 SB26.1
GND: B1.1 B1.3 B1.5 B2.1 B2.3 B2.5 B3.1 B3.3 B3.5 B4.2 B4.4 B4.5 C5.1 C6.1 C7.1 C8.1 C9.1 C10.1 C11.1 C14.1 C17.1 C18.1 C19.1 C21.1 C22.1 C23.1 C24.2 C25.1 C26.1 C27.1 C28.1 C29.1 C30.1 C32.1 C33.1 C34.1 C35.1 C36.1 C37.2 C38.1 C39.1 C40.1 C41.1 C42.1 C43.2 C44.2 C45.1 C46.1 C47.1 C48.1 C49.1 C50.1 C51.1 C52.1 C53.1 C54.1 C55.1 C56.1 C57.1 C58.1 C59.1 C60.1 C61.1 C62.1 C63.1 C64.1 C65.1 C66.1 C67.1 C68.1 C69.1 C70.1 C71.1 C72.1 C73.1 C74.1 C75.1 C76.1 C77.2 C78.1 C79.1 C80.1 C81.1 C82.1 C83.1 C84.1 C85.1 C86.1 C87.1 C88.1 C89.1 C90.1 C92.1 C93.1 C94.1 C95.1 C96.1 C97.1 C98.1 C99.1 C100.1 C101.1 CN1.5 CN1.6 CN1.7 CN1.8 CN1.9 CN1.10 CN1.11 CN2.3 CN4.1 CN4.2 CN5.7 CN6.6 CN6.7 CN7.8 CN7.19 CN7.20 CN7.22 CN10.9 CN10.20 CN10.32 CN11.2 CN12.2 CN12.3 CN12.4 CN12.5 CN13.2 CN16.5 CN16.7 JP6.1 LED1.2 LED2.2 LED3.2 LED5.2 LED6.1 R1.1 R5.1 R8.1 R10.1 R14.1 R18.1 R26.1 R41.1 SC1.1 SC2.1 SC3.1 SC4.1 SC5.1 SC6.1 SC7.1 SC8.1 SC9.1 U1.6 U1.9 U2.2 U2.EP U3.2 U4.2 U5.2 U6.A1 U6.B7 U6.D9 U6.E3 U6.G5 U6.G6 U6.G7 U6.G8 U6.H6 U7.2 U8.1 U9.D5 U9.D6 U9.D7 U9.D8 U9.D9 U9.F2 U9.F6 U9.F7 U9.F8 U9.F9 U9.F10 U9.F12 U9.G2 U9.G6 U9.G7 U9.G8 U9.G9 U9.G10 U9.G12 U9.H6 U9.H7 U9.H8 U9.H9 U9.H10 U9.H12 U9.J6 U9.J7 U9.J8 U9.J9 U9.J10 U9.K6 U9.K7 U9.K8 U9.K9 U9.K10 U9.M1 U9.M8 U9.M9 U9.N1 U10.2 U11.2 U12.2 U13.2 U14.2 U15.2 U16.2 U17.3 U18.2 X1.2 X3.2 X3.4 X4.1 X4.2
GNDDetect: CN16.11 R14.2 U9.K13
VBAT: C84.2 CN7.33 SB21.2 U6.A8
VDD_APP: JP9.2 SB32.2 U3.5 U4.5
VDD_MCU: CN7.5 JP1.2 JP2.1 JP5.1 SB27.1 SB28.1 SB29.1
VDD_RF: C35.2 C37.1 JP2.2 SB23.2 SB28.2 U6.A2
VDD_SYS: C75.2 C81.2 C83.2 C86.2 C87.2 JP5.2 SB21.1 SB24.1 SB27.2 U6.A7 U6.E2 U6.E9 U6.H5
VDDPA: C78.2 U3.4 U6.H8
VDDRF: C82.2 C93.2 R37.2 SB23.1 U6.E8
VDDRF1V55: C80.2 R38.2 SB22.1 U6.F7
VIN: C40.2 C99.2 CN6.8 CN7.24 U8.3
ARD_D0_RX: CN9.1 CN10.37 SB4.2 SB9.1
ARD_D1_TX: CN9.2 CN10.35 SB2.2 SB7.1
ARD_PB3: CN9.4 CN10.31 SB31.2
E5V: C94.2 CN7.6 D2.1 JP4.5
IOREF: C96.2 CN6.2 CN7.12 SB25.2 SB29.2
NetB1_2: B1.2 B1.4 C68.2 R21.1 U12.1
NetB2_2: B2.2 B2.4 C69.2 R22.1 U13.1
NetB3_2: B3.2 B3.4 C70.2 R23.1 U14.1
NetC2_1: C2.1 C6.2 L2.2
NetC2_2: C2.2 U1.4
NetC5_2: C5.2 CN12.1 L2.1
NetC7_2: C7.2 L3.2 U1.5
NetC8_2: C8.2 L4.2 U1.2
NetC11_2: C11.2 C12.1 C15.2 L5.2
NetC12_2: C12.2 L3.1
NetC13_1: C13.1 L4.1
NetC13_2: C13.2 C14.2 C16.1 L6.2
NetC15_1: C15.1 C22.2 L5.1 L7.2 L9.2
NetC16_2: C16.2 C21.2 L6.1 L8.2 L10.2
NetC17_2: C17.2 C20.2 U1.3
NetC18_2: C18.2 C23.2 SB1.1 U2.4
NetC24_1: C24.1 L7.1 U4.3
NetC25_2: C25.2 L8.1 U4.1
NetC27_2: C27.2 L12.1 X4.4
NetC30_2: C30.2 R39.2 X3.1
NetC31_1: C31.1 R2.2
NetC32_2: C32.2 C33.2 D1.2 D2.2 D3.2 U7.1 U7.3
NetC36_2: C36.2 U7.4
NetC38_2: C38.2 R40.2 X3.3
NetC59_2: C59.2 U9.M10
NetC61_2: C61.2 U9.F13
NetC63_2: C63.2 U9.J14
NetC71_2: C71.2 R28.2 U1.8
NetC72_2: C72.2 R27.2 U1.1
NetC73_2: C73.2 R29.1 U1.7
NetC74_2: C74.2 C76.2 C92.2 U4.4 U6.H9
NetC85_2: C85.2 L13.1 SB22.2 U6.B2
NetC88_2: C88.2 C89.2 L14.2 SB26.2 U6.A5 U6.B5
NetC95_2: C95.2 JP3.2 R26.2
NetCN6_1: CN6.1 R31.1
NetCN7_7: CN7.7 SB19.2
NetCN10_22: CN10.22 SB30.1
NetCN13_1: CN13.1 R33.1
NetJP8_1: JP8.1 R11.2
NetJP8_3: JP8.3 R12.2
NetJP8_5: JP8.5 R13.2
NetJP8_7: JP8.7 R17.1
NetJP8_9: JP8.9 R15.2
NetJP8_11: JP8.11 R16.2
NetL9_1: L9.1 U6.J9
NetL10_1: L10.1 U6.J8
NetL13_2: L13.2 R32.2 R33.2
NetL14_1: L14.1 SB24.2
NetLED1_1: LED1.1 R36.2
NetLED2_1: LED2.1 R35.2
NetLED3_1: LED3.1 R34.2
NetLED4_1: LED4.1 R25.1
NetLED4_2: LED4.2 R3.1 U5.3
NetLED5_1: LED5.1 R24.2
NetLED6_2: LED6.2 R19.1
NetLED6_3: LED6.3 R20.1
NetR2_1: R2.1 X4.3
NetR4_2: R4.2 X1.1
NetR5_2: R5.2 U9.L4
NetR6_1: R6.1 X1.3
NetR6_2: R6.2 U9.G1
NetR7_2: R7.2 R8.2 U9.N3
NetR18_2: R18.2 U9.J15
NetR21_2: R21.2 SB15.1 SB16.1
NetR29_2: R29.2 SB18.1
NetR32_1: R32.1 U6.B1
NetR37_1: R37.1 U3.3
NetR38_1: R38.1 U3.1
NetR40_1: R40.1 U6.F8
NetSB11_2: SB11.2 SB12.2 U6.B6
NetSB13_2: SB13.2 SB14.2 U6.C5
OSC32_IN: C43.1 SB12.1 X2.2
OSC32_OUT: C44.1 SB13.1 X2.1
PA0: CN10.1 SB16.2 U6.D6
PA1: CN10.36 R22.2 U6.G3
PA2: SB2.1 SB3.2 U6.H2
PA3: SB4.1 SB5.2 U6.H1
PA4: CN5.3 CN10.17 U6.J1
PA5: CN5.6 CN10.11 U6.J2
PA6: CN5.5 CN10.13 U6.F4
PA7: CN5.4 CN10.15 U6.H3
PA8: CN10.16 U6.J3
PA9: CN5.2 CN10.19 U6.E5
PA10: CN7.32 CN8.3 U6.C8
PA11: CN5.9 CN10.5 U6.B9
PA12: CN5.10 CN10.3 U6.A9
PA13: CN7.13 CN16.4 R11.1 U6.B8 U16.5
PA14: CN7.15 CN16.6 R12.1 U6.A4 U16.4
PA15: CN7.17 CN16.10 U6.B3 U16.1
PB0: SB20.1 SB30.2 U6.F6
PB0_VDD_TCXO: C77.1 C79.2 C97.2 L12.2 SB20.2
PB1: CN7.28 CN8.1 U6.E7
PB2: CN7.30 CN8.2 U6.D8
PB3: SB8.1 SB31.1 U6.C1
PB4: CN7.34 CN8.4 U6.C2
PB5: CN9.5 CN10.29 U6.D2
PB6: SB6.1 SB7.2 U6.E1
PB7: SB9.2 SB10.1 U6.C3
PB8: CN9.6 CN10.27 U6.D3
PB9: CN10.26 R35.1 U6.C4
PB10: CN9.7 CN10.25 U6.H4
PB11: CN10.30 R34.1 U6.G4
PB12: CN9.3 CN10.33 U6.E6
PB13: CN7.38 CN8.6 U6.D7
PB14: CN7.36 CN8.5 U6.C6
PB15: CN10.28 R36.1 U6.B4
PC0: CN10.14 U6.F2
PC1: CN9.8 CN10.23 U6.F1
PC2: CN5.1 CN10.21 U6.D4
PC3: CN10.38 SB18.2 U6.D5